# KiCad board rosco_m68k_keyboard-2.kicad_pcb (continued)
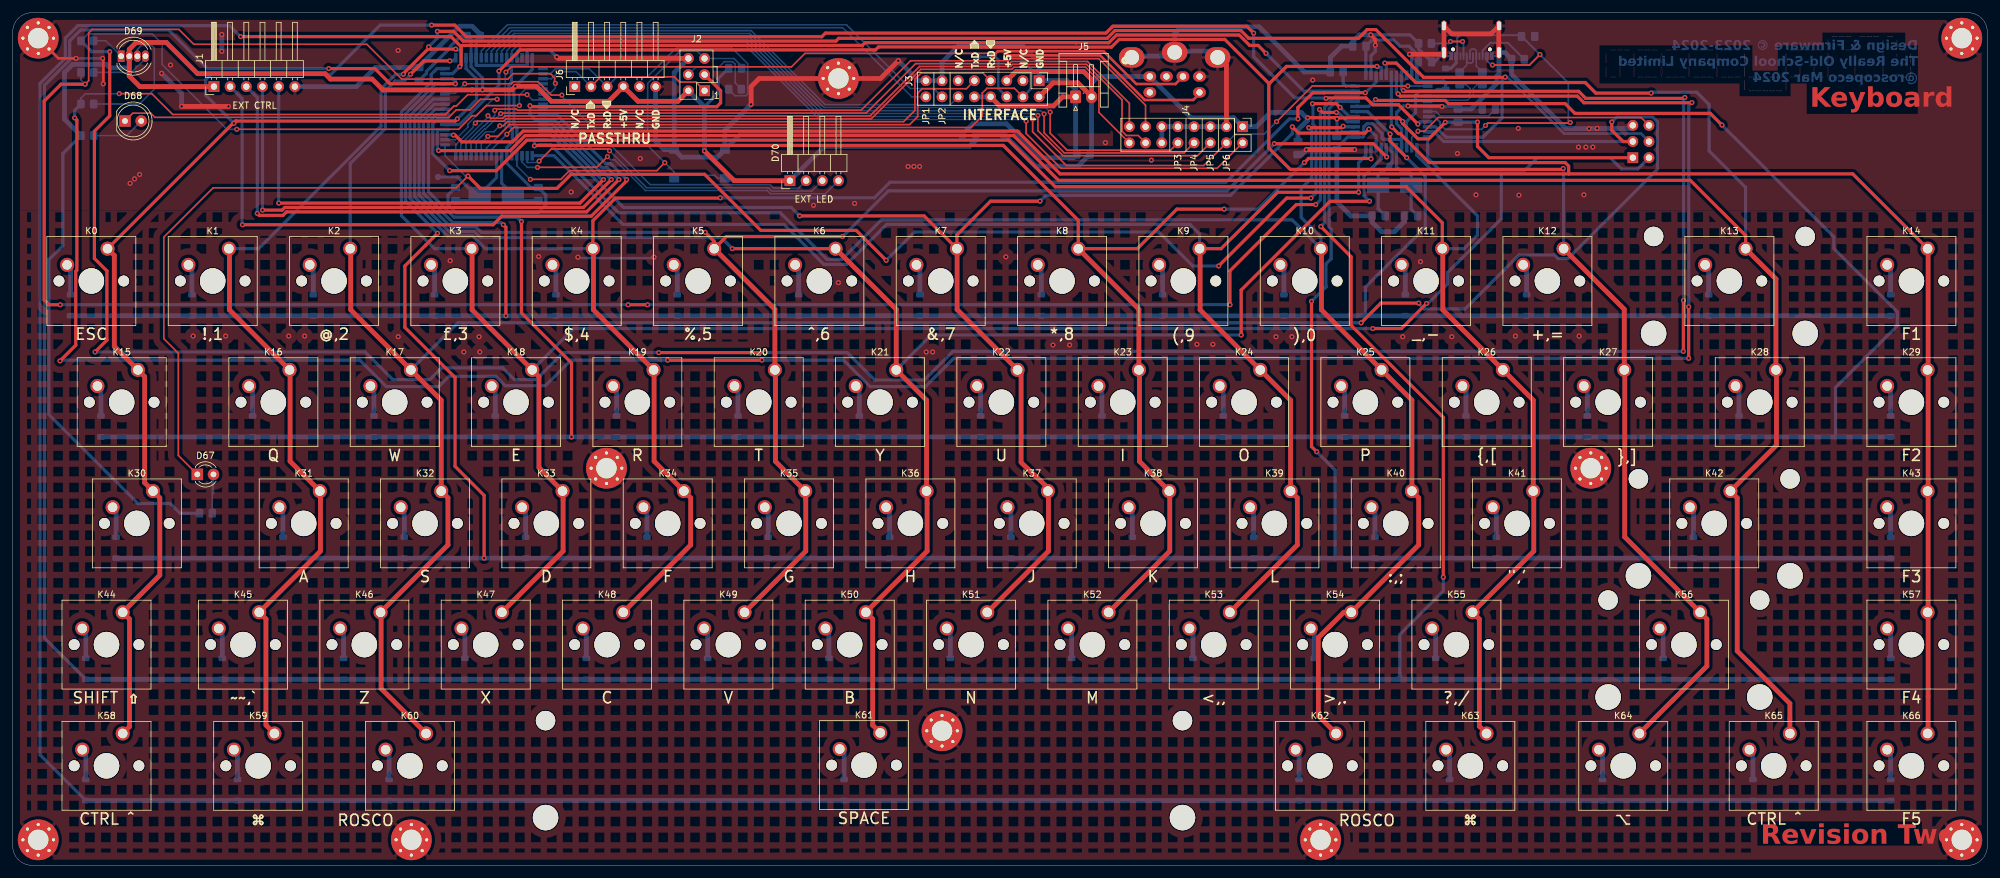
[diagram p0: board, top side]
## Nets (continued)
Net-(D23-A): D23.2 K23.2
Net-(D24-A): D24.2 K24.2
Net-(D25-A): D25.2 K25.2
Net-(D26-A): D26.2 K26.2
Net-(D27-A): D27.2 K27.2
Net-(D28-A): D28.2 K28.2
Net-(D29-A): D29.2 K29.2
Net-(D30-A): D30.2 K30.2
Net-(D31-A): D31.2 K31.2
Net-(D32-A): D32.2 K32.2
Net-(D33-A): D33.2 K33.2
Net-(D34-A): D34.2 K34.2
Net-(D35-A): D35.2 K35.2
Net-(D36-A): D36.2 K36.2
Net-(D37-A): D37.2 K37.2
Net-(D38-A): D38.2 K38.2
Net-(D39-A): D39.2 K39.2
Net-(D40-A): D40.2 K40.2
Net-(D41-A): D41.2 K41.2
Net-(D42-A): D42.2 K42.2
Net-(D43-A): D43.2 K43.2
Net-(D44-A): D44.2 K44.2
Net-(D45-A): D45.2 K45.2
Net-(D46-A): D46.2 K46.2
Net-(D47-A): D47.2 K47.2
Net-(D48-A): D48.2 K48.2
Net-(D49-A): D49.2 K49.2
Net-(D50-A): D50.2 K50.2
Net-(D51-A): D51.2 K51.2
Net-(D52-A): D52.2 K52.2
Net-(D53-A): D53.2 K53.2
Net-(D54-A): D54.2 K54.2
Net-(D55-A): D55.2 K55.2
Net-(D56-A): D56.2 K56.2
Net-(D57-A): D57.2 K57.2
Net-(D58-A): D58.2 K58.2
Net-(D59-A): D59.2 K59.2
Net-(D60-A): D60.2 K60.2
Net-(D61-A): D61.2 K61.2
Net-(D62-A): D62.2 K62.2
Net-(D63-A): D63.2 K63.2
Net-(D64-A): D64.2 K64.2
Net-(D65-A): D65.2 K65.2
Net-(D66-A): D66.2 K66.2
Net-(D67-A): D67.2 R3.1
Net-(D68-A): D68.2 R4.1
Net-(D69-BK): D69.3 R7.1
Net-(D69-GK): D69.4 R6.1
Net-(D69-RK): D69.1 R5.1
Net-(J2-Pin_4): J2.4 R2.1
Net-(J7-CC1): J7.A5 R9.1
Net-(J7-CC2): J7.B5 R8.1
Net-(J7-D+-PadA6): J7.A6 J7.B6 R13.2
Net-(J7-D--PadA7): J7.A7 J7.B7 R12.2
Net-(U1-XTAL2): C7.1 U1.23 Y1.2
Net-(U2-UCAP): C15.1 U2.6
Net-(U2-XTAL2): C14.1 U2.16 Y2.2
Net-(U2-~{HWB}/PE2): R14.2 U2.33

Pads without a net: J3 3 11; J6 1 5; J7 A8 B8; J9 2 6; U1 1 4 8 9 62; U2 42

## Via types
v1: diameter 0.8, hole 0.4, Top to Bottom, 222 vias

## Routing (per net, layer and track width the routed paths; a pad name or vN(x,y) marks a point on that pad's centre or on a via; arc(x,y) is an arc through that point)
/VBUS: length 67
  Top w0.3: v1(232.32,125.78) 238.12,125.78 v1(239.77,127.43) ; v1(231.22,116.28) 231.6,116.66 244.44,116.66
  Top w0.5: 244.44,116.66 v1(244.52,116.74)
  Bottom w0.3: J7.A9 231.42,126.48 232.12,125.78 v1(232.32,125.78) ; J7.A4 226.78,127.34 226.78,130.02 227.24,130.48 236.72,130.48 v1(239.77,127.43) 244.22,122.98 244.22,117.04 v1(244.52,116.74) ; v1(231.22,116.28) 230.62,115.68 224.85,115.68 224.09,116.43 224.09,116.8 223.23,117.67
  Bottom w0.5: D71.2 225.77,125.25 226.62,126.1 J7.A4 ; U2.7 223.23,117.67
GND: length 598.5
  Top w0.4: H1.1 7.17,126.83 v1(9.94,126.83) ; v1(14.11,126.83) 14.22,126.71 v1(14.22,122.83)
  Top w0.5: v1(213.92,128.88) 213.92,129.8 v1(213.2,130.52) ; v1(224.38,119.27) 224.31,119.34 v1(219.05,119.34)
  Top w0.75: v1(85.41,127.04) 85.63,126.81 J2.6 ; v1(139.04,126.45) 136.24,123.66 117.19,123.66 115.92,122.39 v1(115.92,119.6) ; 189.17,127.18 190.55,125.8 J4.3 ; v1(203.11,112.48) v1(210.66,112.48) ; J3.8 154.95,119.35 163.41,119.35 164.83,120.78 J5.1 ; v1(219.3,127.47) 224.75,127.47 ; J7.S1 J7.S1 ; 233.3,132.08 233.3,128.43 ; v1(33.87,119.28) v1(26.52,119.28) ; J7.S1 232.09,130.68 225.92,130.68 224.7,131.9
  Bottom w0.3: J7.S1 232.76,127.18 J7.A12 ; J7.A1 225.28,127.18 J7.S1
  Bottom w0.4: v1(88.72,95.58) 88.87,95.43 100.53,95.43 v1(100.67,95.58) ; v1(14.11,126.83) v1(9.94,126.83)
  Bottom w0.5: U2.5 v1(224.38,119.27) 226.53,119.27 C9.2 ; U2.35 213.24,127.23 213.92,127.91 v1(213.92,128.88) ; v1(85.41,127.04) 84.32,128.13 80.76,128.13 80.76,125.72 78.51,125.72 78.29,125.51 ; J7.S1 223.22,126.28 C11.2 220.72,128.32 R9.2 219.38,130.52 v1(213.2,130.52) ; 78.29,125.51 78.29,123.01 77.91,122.63 77.91,116.22 78.44,115.69 78.44,113.69 77.56,112.81 U1.22 77.56,110.32 81.38,106.5 81.81,106.5 ; 78.29,125.51 78.08,125.72 72.76,125.72 72.76,129.65 73.4,130.29 ; v1(219.3,127.47) 219.64,127.13 U2.43 ; 69.51,106.52 68.34,105.34 68.34,103.81 69.6,102.55 82.43,102.55 83.69,103.81 83.69,105.34 82.51,106.52 ; C8.2 208.74,112.46 ; 207.87,112.74 209.6,114.47 U2.23 211.96,114.47 212.1,114.61 212.1,116.05 212.59,116.55 213.46,116.55 214.98,115.02 214.98,114.26 215.14,114.1 217.96,114.1 218.04,114.02 U2.15 218.04,115.77 217.27,116.55 217.27,118.33 218.28,119.34 v1(219.05,119.34)
  Bottom w0.75: J4.12 J4.11 J4.3 ; 188.37,127.98 182.42,127.98 182.42,130.72 183.49,131.79 195.68,131.79 202.79,124.68 R14.1 ; C9.2 228.99,118.88 233.02,122.9 233.02,124.08 233.34,124.4 J7.S1 234.24,127.76 R8.2 235.32,124.3 243.84,115.79 v1(247.49,115.79) ; v1(139.04,126.45) 142.17,123.32 J3.15 J3.13 145.9,126.21 148.43,128.74 158.59,128.74 161.14,126.19 J3.1 165.54,123.32 166.87,121.99 166.87,112 ; C14.2 218.52,101.17 216.92,99.58 214.92,99.58 213.41,101.09 C13.2 210.08,102.07 207.87,104.28 C8.2 ; 63.78,125.37 56.92,125.37 53.95,122.39 J1.6 ; SW1.1 111.8,115.48 v1(115.92,119.6) ; 167.1,111.78 166.53,111.21 161.31,111.21 157.65,114.88 ; v1(203.11,112.48) 202.33,111.7 C12.2 ; C3.2 156.01,116.53 150.73,116.53 C2.2 114.21,114.88 110.63,111.3 105.03,111.3 103.85,112.48 103.85,124.59 J2.6 ; 248.26,115.8 247.51,115.8 v1(247.49,115.79) ; 248.26,115.8 248.74,115.8 v1(248.76,115.82) ; 248.26,115.8 254.11,115.8 254.35,116.04 ; 206.62,124.93 R14.1 ; R14.1 206.87,126.98 208.63,128.74 C10.2 210.39,129.48 211.43,130.52 v1(213.2,130.52) ; J6.6 100.94,113.81 102.27,112.48 SW1.1 ; v1(26.52,119.28) 26.52,121.33 v1(23.37,124.48) ; 175.67,127.18 181.62,127.18 ; v1(247.49,115.79) 247.48,115.8 247.43,115.8 ; v1(32.82,130.58) v1(32.82,127.93) ; 73.4,130.6 72.12,131.88 70.12,131.88 63.78,125.54 ; J3.8 J3.10 ; v1(210.66,112.48) 207.89,112.48
  vias: v1(18.42,107.18) v1(19.12,107.88) v1(19.92,108.58) v1(24.77,125.78) v1(28.32,83.18) v1(33.42,83.18) v1(43.32,83.18) v1(45.82,83.18) v1(60.5,128.07) v1(60.52,83.08) v1(68.67,95.03) v1(70.82,80.68) v1(73.22,83.08) v1(73.32,80.68) v1(82.57,95.68) v1(87.67,105.83) v1(98.52,111.08) v1(125.72,103.73) v1(129.62,91.58) v1(132.17,104.03) v1(140.57,109.83) v1(141.47,109.83) v1(142.37,109.83) v1(143.42,80.68) v1(144.42,80.68) v1(155.92,95.63) v1(163.32,81.78) v1(165.92,81.78) v1(171.54,113.58) v1(178.77,110.83) v1(185.92,81.88) v1(188.42,81.88) v1(198.32,83.08) v1(200.82,83.08) v1(204.09,123.41) v1(218.22,83.08) v1(221.02,94.88) v1(225.92,83.08) v1(226.81,111.88) v1(229.72,105.38) v1(235.92,83.18) v1(236.37,115.83) v1(236.47,105.33) v1(245.82,112.88) v1(245.92,83.18) v1(246.67,105.38) v1(246.97,112.88) v1(248.07,112.88)
VCC: length 520.5
  Top w0.5: v1(224.92,116.78) 222.32,114.18 220.62,114.18 218.2,116.6 v1(218.2,116.92) 217.64,117.48 208.05,117.48 v1(207.9,117.33) 207.72,117.5 v1(203.3,117.5) ; v1(229.97,116.8) 229.97,112.99 231.75,111.21 J8.1
  Top w0.75: J1.1 19.96,122.39 18.29,124.06 D69.2 18.29,128.25 19.37,129.33 24.12,129.33 29.02,124.42 49.03,124.42 49.88,123.58 56.42,123.58 58.14,121.86 72.1,121.86 72.12,121.88 v1(73.76,121.88) 78.37,121.88 v1(78.91,122.43) 82.2,122.43 84.55,120.08 93.54,120.08 J6.4 98.17,120.08 104.42,120.08 J2.2 ; v1(108.59,112.27) 113.26,107.6 D70.1 ; J3.5 157.49,124.74 168.16,124.74 169.37,123.53 J5.2 ; 169.37,120.83 167.22,122.98 163.34,122.98 J3.2
  Bottom w0.5: U2.24 208.6,115.27 208.33,115 ; U2.14 218.84,113.97 218.79,114.02 218.79,116.87 ; C11.1 220.68,127.26 219.2,128.74 217.79,128.74 216.82,129.71 213.44,129.71 C10.1 ; U1.21 78.36,112.53 79.14,113.32 79.14,115.98 78.69,116.43 78.69,122.2 v1(78.91,122.43) 81.56,125.07 U1.64 ; 218.79,116.87 218.25,116.87 v1(218.2,116.92) ; 218.79,116.87 220.25,118.33 220.25,121.05 220.86,121.67 U2.2 223.39,121.67 223.67,121.95 D71.1 224.97,122.95 224.64,123.28 220.72,123.28 220.44,123.56 U2.44 220.44,126.04 ; v1(229.97,116.8) C9.1 224.95,116.8 v1(224.92,116.78) ; 71.35,130.29 71.96,129.69 U1.52 71.96,125.53 73.76,123.74 v1(73.76,121.88) ; C4.1 64.96,124.48 64.96,124.77 68.68,128.49 68.68,128.68 70.29,130.29 C5.1 ; 208.33,115 C8.1 ; 208.33,115 207.9,115.43 v1(207.9,117.33) ; 108.59,119.22 110.75,121.37 110.75,123.63 112.4,125.28 ; U2.34 212.44,128.72 ; R3.2 26.26,55.33 24.74,56.86 19.66,56.86 5.69,70.83 5.69,95.21 7.87,97.39 7.87,111.88 7.9,111.88 R4.2
  Bottom w0.75: 169.37,112 J5.2 169.37,122.93 170.42,123.98 J9.4 185.01,117.49 191.69,117.49 J4.1 195.22,116.09 197.46,118.33 202.28,118.33 203.1,117.5 ; 155.6,114.88 160.6,109.88 167.25,109.88 169.15,111.78 ; C12.1 201.77,115.58 203.3,117.1 v1(203.3,117.5) ; D70.1 127.41,112.99 150.21,112.99 151.15,113.93 151.15,114.88 ; v1(108.59,112.27) 108.59,119.22 J2.2 ; D69.2 18.29,125.52 18.1,125.33 15.27,125.33 14.73,125.87 9.39,125.87 8.12,124.61 8.12,117.27 10.7,114.68 ; C3.1 C2.1
/32_XTAL1: length 12.3
  Bottom w0.5: C13.1 214.35,103.21 Y2.1 214.35,108.56 214.72,108.93 215.12,108.93 TP2.1 216.53,110.34 216.53,112.68 U2.17
/64_XTAL1: length 18.3
  Bottom w0.5: 72.55,105.45 69.82,108.18 TP1.1 ; U1.24 75.96,108.1 73.31,105.45 72.31,104.45 69.51,104.45
/AUX_D4: length 117.1
  Top w0.25: J4.15 175.31,119.77 168.73,126.34 156.82,126.34 156.48,126 141.76,126 133.98,118.23 76.7,118.23 v1(76.61,118.13)
  Bottom w0.25: v1(76.61,118.13) 74.21,115.74 74.11,115.74 71.96,113.59 U1.29
/AUX_D5: length 121.2
  Top w0.25: v1(75.67,118.65) 75.88,118.86 79.06,118.86 79.25,118.68 133.19,118.68 140.97,126.45 156.3,126.45 156.64,126.79 170.51,126.79 177.85,119.45 J4.13
  Bottom w0.25: U1.30 71.16,113.43 73.92,116.19 74.01,116.19 75.67,117.85 v1(75.67,118.65)
/AUX_D6: length 123
  Top w0.25: v1(74.61,117.81) 75.01,117.41 76.91,117.41 77.27,117.77 134.59,117.77 142.37,125.55 156.67,125.55 157.01,125.89 168.58,125.89 174.16,120.31 174.16,115.38 174.83,114.7 176.7,114.7 J4.14
  Bottom w0.25: v1(74.61,117.81) 74.61,117.61 70.36,113.36 U1.31
/AUX_D7: length 120.6
  Top w0.25: J4.16 170.53,118.33 170.53,123.34 168.42,125.44 157.2,125.44 156.86,125.1 142.56,125.1 134.78,117.32 77.46,117.32 77.09,116.95 72.93,116.95 v1(72.63,116.66)
  Bottom w0.25: U1.32 69.56,113.27 72.3,116.01 72.3,116.33 v1(72.63,116.66)
/AUX_F0: length 126.2
  Top w0.25: v1(159.1,116.96) 159.1,115.02 164.58,109.55 189.09,109.55 J4.2
  Bottom w0.25: U1.61 79.16,128 80.09,128.93 114.97,128.93 126.68,117.23 158.84,117.23 v1(159.1,116.96)
/AUX_F2: length 122.1
  Top w0.25: v1(160.95,117.87) 160.95,115.46 164.88,111.53 186,111.53 J4.6
  Bottom w0.25: U1.59 77.56,128 79.39,129.83 115.35,129.83 127.03,118.15 160.66,118.15 v1(160.95,117.87)
/AUX_F3: length 120.7
  Top w0.25: v1(161.93,118.08) 161.93,115.12 163.1,113.95 165.09,111.96 183.89,111.96 J4.8
  Bottom w0.25: 76.76,126.92 76.76,128 79.04,130.29 115.53,130.29 127.2,118.62 161.38,118.62 v1(161.93,118.08)
/AUX_F4: length 119.2
  Top w0.25: J4.10 181.78,112.39 165.54,112.39 162.88,115.06 v1(162.88,118.38)
  Bottom w0.25: U1.57 75.96,128 78.7,130.74 115.72,130.74 127.36,119.1 162.16,119.1 v1(162.88,118.38)
/AUX_F5: length 81
  Bottom w0.25: U1.56 75.16,128 78.35,131.19 115.91,131.19 127.54,119.55 147.22,119.55 J3.12
/Col_0: length 372.6
  Top w0.5: 35.09,116.98 v1(34.73,116.61) ; 35.09,116.98 69.46,116.98 v1(69.8,117.31) ; 35.09,116.98 34.94,116.98 K0.1 ; v1(206.17,120.53) 206.24,120.6 212.45,120.6 213.53,119.53 217.57,119.53 v1(220.61,116.49) ; v1(194.82,130.81) 193.75,131.88 172.72,131.88 171.65,130.81 127.6,130.81 127.02,130.23 71.21,130.23 69.39,132.05 v1(65.76,132.05)
  Top w0.75: K58.1 18.33,21.78 18.33,38.7 K44.1 23.09,45.59 23.09,57.75 K30.1 20.71,60.13 20.71,76.8 K15.1 15.95,81.56 15.95,95.85 K0.1
  Bottom w0.5: U1.51 71.16,125.24 72.82,123.58 72.82,120.34 v1(69.8,117.31) ; v1(220.61,116.49) 220.94,116.82 220.94,116.87 U2.8 ; v1(194.82,130.81) 194.82,127.09 201.3,120.61 206.09,120.61 v1(206.17,120.53) ; v1(65.76,132.05) 57.69,132.05 49.95,124.31 31.16,124.31 30.29,123.44 30.29,121.05 v1(34.73,116.61)
/Col_1: length 365.7
  Top w0.5: 65.63,128.29 65.19,128.29 61.33,124.43 v1(61.33,124.33) ; 65.63,128.29 v1(69.53,128.29) ; 65.63,128.29 v1(65.3,128.63) ; v1(66.67,131.07) 69.19,131.07 70.72,129.55 129.24,129.55 129.67,129.98 171.82,129.98 173.04,131.2 192.82,131.2 194.04,129.98 211.26,129.98 212.63,131.35 214.01,131.35 221.51,123.85 234.29,123.85 v1(234.32,123.88) ; 48.31,57.41 48.22,57.49 48.22,58.81
  Top w0.75: 48.31,58.73 48.31,49.37 K45.1 39.76,38.7 39.76,22.03 K59.1 ; 43.54,77.78 43.54,63.49 48.22,58.81 ; K16.1 34.02,87.3 34.02,96.83
  Bottom w0.4: J8.4 255.64,115.01 243.55,115.01 234.68,123.88
  Bottom w0.5: v1(234.32,123.88) 233.83,123.38 233.83,117.47 230.8,114.43 225.03,114.43 223.39,116.07 U2.9 ; v1(65.3,128.63) 66.67,130.01 v1(66.67,131.07) ; v1(69.53,128.29) 69.7,128.13 70.36,128.13 U1.50 ; v1(61.33,124.33) 60.12,124.33 57.82,122.03 57.82,116.14 38.6,96.91 K1.1
/Col_2: length 393.3
  Top w0.5: v1(251.05,116.83) 251.05,115.53 252.83,113.75 J8.3 ; v1(62.43,124.33) 64.54,126.43 v1(68.62,126.43) ; v1(220.74,88.35) 214.78,88.35 v1(211.69,85.26)
  Top w0.75: K32.1 67.27,73.1 K17.1 53.07,87.3 53.07,96.83 ; 57.83,39.68 57.83,27.77 K60.1 ; K46.1 68.34,50.35 68.34,57.75 67.35,58.73
  Bottom w0.5: J8.3 224.66,113.75 223.15,115.27 U2.10 ; v1(68.62,126.43) 69.07,126.43 U1.49 ; v1(211.69,85.26) 69.9,85.26 K17.1 ; K2.1 52.98,110.29 58.5,115.81 58.5,121.75 60.03,123.28 61.46,123.28 62.43,124.26 v1(62.43,124.33) ; v1(251.05,116.83) 251.82,117.6 257.47,117.6 258.19,116.87 258.19,109.37 244.18,95.36 242.64,95.36 242.07,95.93 236.49,95.93 228.01,87.44 221.61,87.44 220.74,88.31 v1(220.74,88.35)
/Col_3: length 325.5
  Top w0.5: K47.1 80.8,43.77 80.8,43.77 ; 86.32,58.81 86.32,57.49 86.41,57.41 ; v1(221.96,88.29) 218.03,84.37 v1(213.52,84.37)
  Top w0.75: 86.41,58.73 86.41,49.37 K47.1 ; 72.12,96.83 72.12,87.3 81.64,77.78 82.62,76.8 82.62,62.51 86.32,58.81
  Bottom w0.5: U2.11 222.14,111.17 224.38,108.93 233.7,108.93 ; 233.7,108.93 233.7,101.6 225.26,93.16 225.26,91.36 222.19,88.29 v1(221.96,88.29) ; 233.7,108.93 237.08,108.93 239.37,111.21 250.8,111.21 252.57,109.44 255.11,109.44 J8.2 ; v1(213.52,84.37) 88.06,84.37 K18.1 ; U1.48 66.61,125.22 65.7,124.32 65.7,123.08 61.02,118.4 61.02,102.11 66.22,96.91 K3.1
/Col_4: length 265.7
  Top w0.5: v1(111.1,104.91) 111.05,104.86 94.63,104.86 91.08,101.31 K4.1 ; K48.1 101.14,45.06 101.14,45.06 ; v1(201.77,117.31) 201.77,119.09 204.1,121.42 205.88,121.42 205.88,121.43 v1(212.36,121.43)
  Top w0.75: K48.1 106.44,50.35 106.44,57.75 K34.1 100.69,63.49 100.69,77.78 ; 100.51,77.96 91.17,87.3 91.17,96.83
  Bottom w0.5: U1.44 66.57,122.02 62.38,117.83 62.38,104.82 68.27,98.93 72.18,98.93 74.2,96.91 K4.1 ; v1(111.1,104.91) 135.28,104.91 137.72,107.36 190.49,107.36 200.44,117.31 v1(201.77,117.31) ; v1(212.36,121.43) 214.04,123.11 U2.36
/Col_5: length 257.3
  Top w0.5: 124.42,58.81 124.42,57.49 124.51,57.41 ; 119.7,44.57 119.7,44.57 K49.1 ; v1(198.07,113.42) 213.61,113.42 v1(215.7,111.33) ; v1(108.72,99.48) 110.13,98.07 K5.1 112.04,98.83 v1(130.29,98.83)
  Top w0.75: K49.1 124.51,49.37 124.51,58.73 ; K20.1 119.66,87.39 K5.1 ; 124.42,58.81 119.74,63.49 119.74,77.78
  Bottom w0.5: v1(108.72,99.48) 73.56,99.48 72.71,100.33 68.79,100.33 63.79,105.33 63.79,117.24 66.17,119.62 U1.41 ; U2.18 215.64,111.57 215.7,111.51 v1(215.7,111.33) ; v1(130.29,98.83) 137.46,106 190.66,106 v1(198.07,113.42)
/Col_6: length 282
  Top w0.5: v1(213.01,104.37) 206.83,104.37 192.87,90.41 v1(192.87,83.34) ; 143.47,64.62 K36.1 143.47,56.92 143.56,56.83 ; v1(112.97,96.93) 112.99,96.91 K6.1
  Top w0.75: 143.56,58.73 143.56,49.37 K50.1 135.01,38.7 135.01,22.03 136.33,20.71 ; K6.1 138.71,87.39 K21.1 143.47,73.1 K36.1
  Bottom w0.5: U1.42 66.01,120.42 63.11,117.52 63.11,105.05 68.53,99.63 72.44,99.63 73.42,98.65 111.25,98.65 v1(112.97,96.93) ; v1(192.87,83.34) 144.19,83.34 K21.1 ; v1(213.01,104.37) 212.15,105.23 212.15,108.35 214.84,111.04 U2.19
/Col_7: length 218
  Top w0.5: v1(123.54,102.07) 143.08,102.07 K7.1 148.23,99.1 153.51,104.38 v1(161.28,104.38) ; 158.31,63.36 158.31,63.31 ; v1(200.89,116.08) 201.89,115.08 212.3,115.08 v1(212.93,115.71)
  Top w0.75: 148.27,96.88 148.27,87.35 K22.1 ; 158.31,63.31 163.07,58.81 ; 158.31,63.36 158.31,77.86 ; K51.1 162.61,49.37 162.61,58.73
  Bottom w0.5: 83.26,114.82 84.46,114.82 95.88,103.4 122.21,103.4 v1(123.54,102.07) ; v1(212.93,115.71) 214.04,114.59 U2.20 ; v1(161.28,104.38) 162.21,105.3 191.2,105.3 200.89,115 v1(200.89,116.08)
/Col_8: length 227.2
  Top w0.5: K8.1 176.56,96.91 182.77,103.13 v1(190.19,103.13) ; v1(213.24,111.04) 213.2,111.09 203.43,111.09 v1(202.79,110.45) ; 176.81,80.9 K23.1 ; 167.28,96.91 167.28,101.37 155.5,113.15 81.97,113.15 v1(81.91,113.09) ; 176.85,44.57 K52.1
  Top w0.75: K52.1 181.66,49.37 181.66,58.73 ; K38.1 176.89,63.49 176.89,77.78 ; 167.28,96.91 176.81,87.39 K23.1
  Bottom w0.5: v1(81.91,113.09) 81.91,113.87 82.06,114.02 83.26,114.02 ; v1(202.79,110.45) 195.47,103.13 v1(190.19,103.13) ; v1(213.24,111.04) U2.21
/Col_9: length 228.1
  Top w0.5: 196.39,45.06 K53.1 ; K9.1 189.72,96.91 198.58,105.78 v1(211.29,105.78)
  Top w0.75: K53.1 201.69,50.35 201.69,57.75 200.62,58.81 200.62,73.1 K24.1 186.42,87.3 186.42,96.2
  Bottom w0.5: v1(211.29,105.78) 211.29,110.42 212.44,111.57 U2.22 ; K9.1 186.33,99.22 184.82,100.74 137.2,100.74 130.91,94.45 127.35,94.45 121.07,100.73 95.79,100.73 84.99,111.52 U1.17
/Col_10: length 253.4
  Top w0.5: v1(208.87,116.16) 208.65,115.93 v1(203.47,115.93)
  Top w0.75: K62.1 204.98,23.5 204.98,35.77 208.97,39.76 K54.1 220.74,50.35 220.74,57.75 K40.1 219.67,73.1 K25.1 205.47,87.3 205.47,96.83
  Bottom w0.5: K10.1 205.38,98.72 202.28,101.82 202.28,106.39 203.94,108.05 203.94,115.46 v1(203.47,115.93) ; U2.25 208.96,116.07 v1(208.87,116.16) ; 83.26,113.22 84.46,113.22 95.13,102.55 120.52,102.55 127.86,95.21 130.15,95.21 136.38,101.45 200.85,101.45 205.38,96.91
/Col_11: length 290.3
  Top w0.5: 238.81,57.41 238.72,57.49 238.72,58.81 ; K11.1 224.43,101 218.79,106.64 163.67,106.64 156.35,113.97 80.71,113.97 75.91,109.18 v1(68.59,109.18)
  Top w0.75: K63.1 230.26,21.84 230.26,38.7 K55.1 238.81,49.37 238.81,58.73 ; 238.72,58.81 238.72,73.1 K26.1 224.52,87.3 224.52,96.83
  Bottom w0.5: v1(68.59,109.18) 65.95,111.82 65.95,116.52 66.66,117.22 U1.38 ; K11.1 227.86,96.91 229.97,99.02 229.97,102.07 220.44,111.6 U2.12
/Col_12: length 328.6
  Top w0.5: v1(214.19,125.56) 199.98,125.56 197.2,122.79 ; 197.2,122.79 197.2,122.9 191.94,128.16 190.29,129.81 173.71,129.81 172.5,128.6 147.84,128.6 147.82,128.62 135.92,128.62 135.47,128.16 79.66,128.16 v1(76.34,124.83) ; 197.2,122.79 197.2,112.74 200.57,109.37 243.28,109.37 v1(243.43,109.52) ; 260.68,26.01 260.68,26.01 K64.1 ; 253.01,79.55 K27.1
  Top w0.75: K64.1 265.98,31.3 265.98,38.7 K56.1 253.09,51.59 253.09,71.69 253.09,71.7 253.09,77.78 ; K27.1 253.01,87.39 K12.1
  Bottom w0.5: v1(76.34,124.83) 76.34,122.62 70.14,116.42 U1.37 ; U2.37 214.84,125.37 214.38,125.37 v1(214.19,125.56) ; v1(243.43,109.52) 243.48,109.47 243.48,96.91
/Col_13: length 387.4
  Top w0.5: K13.1 272.06,98.99 263.39,107.66 164.18,107.66 157.15,114.69 80.43,114.69 78.07,112.33 v1(66.85,112.33) ; v1(215.42,126.08) 217.22,126.08 220.27,123.03 246.87,123.03 248.53,121.37 v1(257.23,121.37) ; 279.01,23.07 K65.1
  Top w0.75: K65.1 279.01,25.42 270.74,33.69 270.74,57.75 K42.1 276.91,66.04 276.91,77.78 ; K13.1 276.82,92.15 276.82,77.87
  Bottom w0.5: v1(257.23,121.37) 257.37,121.51 264.39,121.51 266.32,119.58 266.32,112.28 272.06,106.55 K13.1 ; v1(66.85,112.33) 66.66,112.53 66.66,115.62 U1.36 ; U2.38 215.64,125.86 v1(215.42,126.08)
/Col_14: length 362.7
  Top w0.5: 244.28,108.67 288.87,108.67 K14.1 ; 244.28,108.67 164.44,108.67 157.72,115.39 80.14,115.39 78.46,113.71 70.5,113.71 69.44,114.77 v1(69.19,114.77) ; 244.28,108.67 244.28,108.68 244.28,109.89 243.73,110.44 222.37,110.44 217.82,115 217.54,115 v1(216.51,116.04) ; K66.1 300.63,26.48 300.72,26.57
  Top w0.75: 300.72,39.68 300.72,20.8 ; 300.72,39.85 300.72,58.73 ; 300.72,58.9 300.72,77.78 ; 300.72,77.95 300.72,96.83
  Bottom w0.5: v1(69.19,114.77) 69.13,114.82 U1.35 ; U2.39 216.44,116.1 v1(216.51,116.04)
/LED0: length 485.1
  Top w0.25: v1(35.17,115.68) 70,115.68 72.15,117.83 72.78,117.83 74.36,119.4 v1(79.55,119.4)
  Top w0.5: v1(118.12,80.58) v1(101.42,80.58) ; v1(262.29,80.78) 262.29,88.76 v1(262.31,88.78) ; v1(12.92,80.68) 14.79,82.55 14.79,93.41 12.82,95.38 12.82,115.38 15.22,117.78 v1(15.22,127.88) ; v1(218.33,121.77) 218.45,121.65 245.85,121.65 246.96,120.54 262.38,120.54 v1(262.52,120.68)
  Bottom w0.25: v1(79.55,119.4) 79.55,121.07 80.5,122.02 83.26,122.02 ; v1(35.17,115.68) 35.16,115.67 33.63,115.67 23.45,125.85 23.45,129.12 21.91,130.66 11.78,130.66 R5.2
  Bottom w0.5: v1(262.31,88.78) 262.32,88.79 262.32,120.48 v1(262.52,120.68) ; v1(218.33,121.77) 218.04,122.06 U2.41 ; v1(12.92,80.68) 55.32,80.68 59.67,76.33 65.48,76.33 67.32,78.18 76.92,78.18 78.77,76.33 82.19,76.33 86.44,80.58 v1(101.42,80.58) ; v1(262.29,80.78) 147.62,80.78 143.12,76.28 135.32,76.28 131.02,80.58 v1(118.12,80.58) ; v1(15.22,127.88) 12.41,127.88 R5.2
/LED1: length 361.7
  Top w0.25: v1(11.37,122.77) 11.92,123.32 11.92,130.83 12.47,131.38 26.08,131.38 28.42,129.04 55.6,129.04 61.08,123.56 77.72,123.56 78.58,124.42 84.43,124.42 85.07,123.78 85.07,123.01 v1(85.19,122.9)
  Top w0.5: v1(99.67,88.1) v1(96.62,88.1) ; v1(11.37,122.77) 7.59,122.77 4.92,120.1 4.92,88.86 5.69,88.1 v1(7.46,88.1) ; v1(205.15,118.79) 205.62,118.33 v1(207.81,118.33) ; v1(191.11,88.1) 191.11,93.43 201.52,103.85 v1(204.57,103.85)
  Bottom w0.25: 83.26,121.22 84.26,121.22 85.19,122.15 v1(85.19,122.9) ; R6.2 10.7,123.44 v1(11.37,122.77)
  Bottom w0.5: v1(204.57,103.85) 205.3,104.59 205.3,118.64 v1(205.15,118.79) ; U2.26 209.53,116.87 208.07,118.33 v1(207.81,118.33) ; v1(191.11,88.1) v1(99.67,88.1) ; v1(7.46,88.1) v1(96.62,88.1)
/LED2: length 472.8
  Top w0.25: v1(16.72,121.28) 21.84,121.28 25.12,118 67.94,118 69.27,119.34 69.65,119.34 71.43,121.12 v1(80.75,121.12)
  Top w0.5: v1(217.51,121.24) 217.86,120.89 245.65,120.89 246.69,119.85 263.59,119.85 v1(263.62,119.88) ; v1(102.82,79.38) 117.61,79.38 v1(117.62,79.39) ; v1(7.42,79.28) 9.89,81.75 9.89,93.35 10.06,93.52 10.06,117.14 v1(9.72,117.48) ; v1(263.12,87.78) v1(263.12,79.68)
  Bottom w0.25: R7.2 10.7,120.57 11.39,121.25 16.69,121.25 v1(16.72,121.28) ; v1(80.75,121.12) 81.58,120.29 83.12,120.29
  Bottom w0.5: v1(263.62,119.88) 263.14,119.39 263.14,87.79 v1(263.12,87.78) ; v1(217.51,121.24) 217.24,121.51 U2.40 ; v1(117.62,79.39) 130.45,79.39 134.61,75.23 143.17,75.23 143.22,75.18 147.72,79.68 v1(263.12,79.68) ; v1(102.82,79.38) 102.82,79.39 87.64,79.39 83.62,75.38 77.32,75.38 75.84,76.85 68.5,76.85 66.88,75.23 58.67,75.23 54.51,79.39 7.54,79.39 v1(7.42,79.28) ; R7.2 9.72,118.67 v1(9.72,117.48)
/LED3: length 268.9
  Top w0.25: v1(71.47,108.33) 69.62,106.48 31.47,106.48 23.72,98.73 23.72,82.77 26.01,80.48 26.01,64.41 D67.1
  Top w0.5: v1(71.47,108.33) 73.41,106.39 85.44,106.39 87.66,108.61 108.62,108.61 117.45,99.78 132.43,99.78 v1(137.13,95.09) ; v1(208.39,119.11) 207.8,119.7 v1(204.06,119.7) ; v1(203.81,104.86) 200,104.86 v1(189.33,94.2)
  Bottom w0.25: v1(71.47,108.33) 71.08,108.33 67.86,111.55 U1.33
  Bottom w0.5: v1(189.33,94.2) 185.26,94.2 179.93,99.53 141.58,99.53 v1(137.13,95.09) ; U2.27 209.84,117.67 v1(208.39,119.11) ; v1(204.06,119.7) 204.13,119.64 204.13,116.48 204.62,115.98 204.62,105.68 v1(203.81,104.86)
/LED4: length 71.5
  Top w0.25: D68.1 18.85,118.21 21.66,118.21 22.32,117.55 68.44,117.55 69.62,118.73 71.77,118.73 73.44,120.4 v1(76.04,120.4)
  Bottom w0.25: v1(76.04,120.4) 75.34,120.4 71.47,116.53 71.47,116.03 69.46,114.02 U1.34
/LED5: length 64.9
  Top w0.25: v1(70.96,122.83) 78.29,122.83 78.61,123.15 82.47,123.15 84.57,121.05 v1(86.2,121.05)
  Bottom w0.25: v1(86.2,121.05) 86.2,120.87 100.1,106.97 118.93,106.97 119.47,106.43 123.38,106.43 D70.2 ; v1(70.96,122.83) 69.46,121.33 67.97,121.33
/LED6: length 51.7
  Top w0.25: v1(82.65,110.67) 84.55,112.58 93.48,112.58 93.69,112.36 v1(93.69,112.3)
  Bottom w0.25: v1(93.69,112.3) 93.7,112.3 99.52,106.48 118.64,106.48 119.14,105.97 125.47,105.97 D70.3 ; v1(82.65,110.67) 82.42,110.45 80.84,110.45 80.76,110.52 80.76,111.52
/LED7: length 55
  Top w0.25: v1(82.39,109.69) 91.69,109.69 v1(93.38,111.38)
  Bottom w0.25: U1.19 79.96,110.52 80.79,109.69 v1(82.39,109.69) ; v1(93.38,111.38) 93.86,110.89 94.5,110.89 99.34,106.05 118.46,106.05 118.97,105.54 127.58,105.54 D70.4
/MISO: length 83.6
  Top w0.5: v1(92.76,107.78) 89.06,104.08 v1(41.77,104.08)
  Bottom w0.5: J1.5 41.75,104.1 v1(41.77,104.08) ; v1(92.76,107.78) 92.47,107.78 84.62,115.62 83.26,115.62
/MOSI: length 90.4
  Top w0.5: v1(39.22,102.98) 42.3,102.98 42.72,103.4 89.59,103.4 v1(93.97,107.78)
  Bottom w0.5: J1.4 39.21,102.99 v1(39.22,102.98) ; v1(93.97,107.78) 92.97,108.78 92.43,108.78 84.79,116.42 83.26,116.42
/PT_RXD: length 45.4
  Bottom w0.25: 83.26,124.42 84.43,124.42 85.19,125.18 90.52,125.18 J6.3 94.8,123.88 99.57,123.88 104.17,128.48 112.9,128.48 115.38,125.99 115.38,121.25 115.07,120.94 113.41,120.94 112.38,121.97
/PT_TXD: length 28.3
  Top w0.25: J6.2 92.31,123.93 103.86,123.93 104.69,123.1 107.25,123.1 J2.1
  Bottom w0.25: J6.2 88.43,124.73 85.69,124.73 84.58,123.62 83.26,123.62
/Reset: length 69
  Top w0.25: v1(81.27,107.81) 86.05,107.81 87.42,109.18 101.12,109.18 v1(102.38,110.43)
  Bottom w0.25: 114.45,125.6 113.23,126.81 J2.5 107.41,128.02 104.81,128.02 99.67,122.88 99.67,113.14 v1(102.38,110.43) 103.85,108.95 103.85,108.46 110.21,108.46 110.7,107.98 SW1.2 ; U1.20 79.16,109.92 v1(81.27,107.81)
/ResetB: length 40.7
  Top w0.25: J8.6 255.66,117.53 223.79,117.53 221.64,115.38 v1(220.62,115.38)
  Bottom w0.25: v1(220.62,115.38) 219.64,114.4 U2.13
/Row_0: length 372
  Top w0.5: v1(77.02,100.69) 77.42,100.29 v1(77.42,86.37) ; v1(216.25,114.93) 216.25,113.82 v1(218.85,111.22)
  Bottom w0.5: v1(218.85,111.22) 221.76,108.31 221.76,100.26 212.37,90.87 212.37,86.37 ; U2.28 212.71,118.47 v1(216.25,114.93) ; U1.40 66.34,118.82 64.47,116.96 64.47,105.61 69.07,101.01 76.7,101.01 v1(77.02,100.69)
  Bottom w0.75: D14.1 D13.1 D12.1 D11.1 D10.1 D9.1 D8.1 D7.1 D6.1 D5.1 D4.1 D3.1 D2.1 D1.1 D0.1
/Row_1: length 473.9
  Top w0.5: v1(79.87,101.19) 79.87,86.81 87.73,78.96 v1(87.73,67.32) ; v1(268.35,116.34) 266.51,118.18 245.26,118.18 243.72,119.72 225.4,119.72 224.9,120.21 214.12,120.21 v1(213.97,120.36)
  Bottom w0.25: U1.39 66.78,118.02
  Bottom w0.5: v1(213.97,120.36) 212.88,119.27 U2.29 ; U1.39 66.5,118.02 65.27,116.8 65.27,105.88 69.28,101.87 79.19,101.87 v1(79.87,101.19) ; v1(268.35,116.34) 285.92,98.77 285.92,96.93 295.89,86.96 295.89,84.81 286.19,75.11 286.19,67.32
  Bottom w0.75: D29.1 D28.1 D27.1 D26.1 D25.1 D24.1 D23.1 D22.1 D21.1 D20.1 D19.1 v1(87.73,67.32) D18.1 D17.1 D16.1 D15.1
/Row_2: length 444
  Top w0.5: v1(203.91,88.63) 203.91,65.81 v1(204.72,65) ; v1(66.68,99.34) 64.87,97.52 64.87,97.5 61.57,94.2 61.57,84.54 69.44,76.67 69.44,62.7 74.01,58.13 v1(74.01,48.27)
  Bottom w0.5: U2.30 207.84,120.07 206.66,118.89 206.66,100.3 206.99,99.97 206.99,95.32 206.2,94.53 206.2,90.92 v1(203.91,88.63) ; v1(204.72,65) 207.61,62.11 207.61,48.27 ; v1(66.68,99.34) 61.7,104.32 61.7,118.12 66.41,122.82 U1.45
  Bottom w0.75: D30.1 D31.1 D32.1 v1(74.01,48.27) D33.1 D34.1 D35.1 D36.1 D37.1 D38.1 D39.1 D40.1 D41.1 D42.1 D43.1
/Row_3: length 563.3
  Top w0.5: v1(205.37,100.39) 210.13,95.63 210.13,84.86 224.6,70.39 v1(224.6,45.29) ; v1(49.61,125.22) 56.85,125.22 59.24,122.83 v1(69.5,122.83)
  Bottom w0.5: 217.78,29.73 217.27,29.22 ; 217.78,29.73 218.28,29.22 ; 217.78,29.73 217.78,30.19 ; v1(224.6,45.29) 224.6,43.11 217.78,36.28 217.78,30.19 ; D44.1 4.99,35.7 4.99,122.61 8.93,126.55 8.93,129.58 10.64,131.29 24.48,131.29 30.54,125.22 v1(49.61,125.22) ; 217.78,30.19 217.78,29.22 ; U2.31 207.68,120.87 205.98,119.17 205.98,101.01 v1(205.37,100.39) ; v1(69.5,122.83) 69.5,123.19 69.06,123.62 U1.46
  Bottom w0.75: D57.1 D56.1 D55.1 D54.1 D53.1 D52.1 D51.1 D50.1 D49.1 D48.1 D47.1 D46.1 D45.1 D44.1
/Row_4: length 622.9
  Top w0.5: v1(70.17,125.54) 70.4,125.76 70.4,128.65 ; 70.4,128.65 70.61,128.87 133.39,128.87 133.82,129.3 166.9,129.3 166.92,129.28 172.09,129.28 173.3,130.5 192.56,130.5 194.19,128.87 195.51,128.87 v1(196.76,127.62) ; 70.4,128.65 68.81,130.24 v1(35.77,130.24)
  Bottom w0.5: v1(35.77,130.24) 34.04,131.97 10.21,131.97 8.25,130.01 8.25,126.84 4.29,122.87 4.29,17.35 D58.1 ; U2.32 202.71,121.67 v1(196.76,127.62) ; U1.47 69.06,124.42 v1(70.17,125.54)
  Bottom w0.75: D58.1 D59.1 D60.1 D61.1 D62.1 D63.1 D64.1 D65.1 D66.1
/RXD: length 85.6
  Top w0.25: v1(74.59,114.56) 76.15,114.56 78.01,116.42 140.81,116.42 142.08,117.69 142.08,121.37 142.76,122.06 149.72,122.06 J3.9
  Bottom w0.25: v1(74.59,114.56) 73.56,113.52 U1.27
/SCK: length 136.1
  Top w0.5: 109.28,123.61 J2.3 109.28,123.61 ; 109.28,123.61 111.13,121.76 111.13,119.83 110.54,119.23 81.36,119.23 v1(81.21,119.38) ; v1(95.17,107.78) 90.09,102.7 42.98,102.7 42.43,102.15 38.7,102.15 v1(38.39,102.46)
  Bottom w0.5: J1.3 38.39,120.67 v1(38.39,102.46) ; v1(95.17,107.78) 93.31,109.64 92.53,109.64 84.95,117.22 82.01,117.22 81.21,118.02 v1(81.21,119.38)
